# Altium PCB TinyPC.PcbDoc (part 1 of 2) (continued)
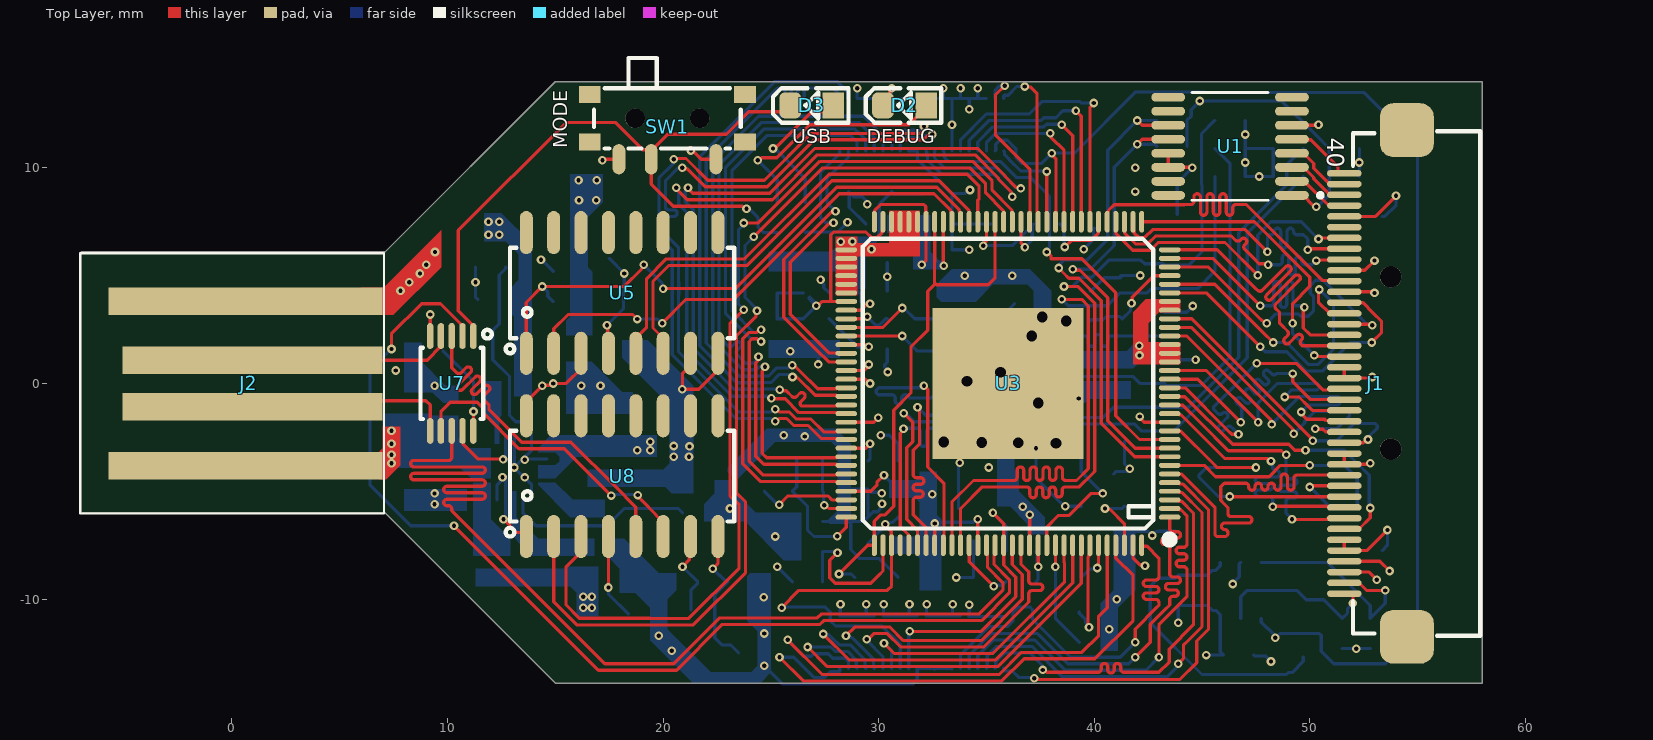
[diagram p0: Top Layer view]
## Footprints (in the part's own frame and the unit in brackets; to place one, negate y for a bottom-side part, rotate by r counter-clockwise, add the part's x,y. Pads: shape width x height; smd on the part's side, far side on the other; paste and mask are expansions set on the pad) (continued)
SDMICRO_AT [mm] "SDMICRO exist on Iran, Attend 112J-TDAR-R01 push-push"
  oval 0.7x1.6 smd: 1(-2.2,-5.25) 2(-1.1,-5.25) 3(0,-5.25) 4(1.1,-5.25) 5(2.2,-5.25) 6(3.3,-5.25) 7(4.4,-5.25) 8(5.5,-5.25) 9(6.6,-5.25)
  rect 1.2x1.4 smd: SH1(7.85,-4.65)
  rect 1.2x2.2 smd: SH2(7.75,4.85) SH3(-7.75,4.85)
  rect 1.6x1.2 smd: SH4(-6.85,-4.75)
  round 1 hole 1 unplated mask+0.102: ""(-3.05,5.25) ""(4.95,5.25)
  silkscreen extent -7.3,-5.3 7.5,15.52, body extent -8,-5.7 8.1,13.82, height 1.85
SO_16 [mm] "SOP, SOIC, 3.9mm width, 1.27mm pitch,"
  oval 2x0.6 smd: 1(-2.8,4.445) 2(-2.8,3.175) 3(-2.8,1.905) 4(-2.8,0.635) 5(-2.8,-0.635) 6(-2.8,-1.905) 7(-2.8,-3.175) 8(-2.8,-4.445) 9(2.8,-4.445) 10(2.8,-3.175) 11(2.8,-1.905) 12(2.8,-0.635) 13(2.8,0.635) 14(2.8,1.905) 15(2.8,3.175) 16(2.8,4.445)
  silkscreen extent -2.8,-5.2 2.1,5.4, body extent -3.1,-4.95 3.1,4.95, height 1.7
SOP65P640X120-16N [mm]
  oval 1.57x0.41 smd: 1(-2.87,2.275) 2(-2.87,1.625) 3(-2.87,0.975) 4(-2.87,0.325) 5(-2.87,-0.325) 6(-2.87,-0.975) 7(-2.87,-1.625) 8(-2.87,-2.275) 9(2.87,-2.275) 10(2.87,-1.625) 11(2.87,-0.975) 12(2.87,-0.325) 13(2.87,0.325) 14(2.87,0.975) 15(2.87,1.625) 16(2.87,2.275)
  silkscreen extent -4.29,-2.5 1.77,2.5, body extent -3.2,-2.5 3.2,2.5, height 1.2
SOT23_3 [mm] "SOT-23, Micro3, MO-178, TO-236AB, MO-193C, SuperSOT3, SC-59, 1.5x3mm, Pitch 1.9mm"
  rrect50% 1.2x0.7 smd paste-0.05 mask+0.1: 1(-1.3,1) 2(-1.3,-1) 3(1.3,0)
  silkscreen extent -0.8,-1.6 0.8,1.6, body extent -1.32,-1.5 1.32,1.5, height 1.08
SOT23_6 [mm] "SOT-23-6, DDC, DBV, MICRO6, SOT-26, SOT457, SuperSOT6, TSOP-6, HMC313, TSOT, 1.5x3mm, Pitch 0.65mm, CA531, MO-178AB, MO-193AA"
  oval 1.2x0.6 smd paste-0.05: 1(-1.3,0.95) 2(-1.3,0) 3(-1.3,-0.95) 4(1.3,-0.95) 5(1.3,0) 6(1.3,0.95)
  silkscreen extent -1.6,-1.6 0.9,1.9, body extent -1.5,-1.5 1.5,1.5, height 1.3
SWSLIDT_SPDT_MSS3 [mm] "Switch, Slide, SPDT,"
  oval 0.6x1.4 smd: 1(2.25,-1.9) 2(-0.75,-1.9) 3(-2.25,-1.9)
  rect 1x0.8 smd: ""(-3.6,-1.1) ""(-3.6,1.1) ""(3.6,-1.1) ""(3.6,1.1)
  round 0.9 hole 0.9 unplated: ""(-1.5,0) ""(1.5,0)
  silkscreen extent -3.4,-1.4 3.4,2.8, body extent -3.85,-2.24 3.85,2.76, height 1.4
USB_PCB [mm]
  rect 1.27x12.7 smd: 1(-3.81,-0.631) 4(3.81,-0.631)
  rect 1.27x12.065 smd: 2(-1.079,-0.95) 3(1.079,-0.95)
  silkscreen extent -6.02,-7.05 6.04,7.05
VSSOP-10PIN [mm]
  oval 1.2x0.3 smd mask+0.075: 1(-2.2,0.996) 2(-2.2,0.496) 3(-2.2,-0.004) 4(-2.2,-0.504) 5(-2.2,-1.004) 6(2.2,-1.004) 7(2.2,-0.504) 8(2.2,-0.004) 9(2.2,0.496) 10(2.2,0.996)
  silkscreen extent -2.49,-1.45 1.65,1.85, body extent -2.45,-1.5 2.45,1.5, height 1.1
XTL_2_1610 [mm] "Crystals 1.6 mm x 1.0 mm"
  rrect50% 0.6x1 smd mask+0.1: 1(-0.6,0) 2(0.6,0)
  Top Layer pour cut-out: -0.8,-0.6 0.8,-0.6 0.8,0.6 -0.8,0.6
  silkscreen extent -1.1,-0.7 1.1,0.7, body extent -0.8,-0.5 0.8,0.5, height 0.5
XTL_4_3225 [mm] "CRYSTAL OSCILATOR 3.2X2.5mm, ABM8, CDFN-4"
  rrect50% 1.2x1.4 smd: 1(-1,1.1) 2(-1,-1.1) 3(1,-1.1) 4(1,1.1)
  Top Layer pour cut-out: -1.6,1.8 -1.6,-1.8 1.6,-1.8 1.6,1.8
  silkscreen extent -1.6,-1.7 1.4,2.2, body extent -1.25,-1.6 1.25,1.6, height 0.61

## Part data
C1 C2 C3 C4 C5 C6 C7 C8 C9 C10 C11 C12 C13 C14 C15 C16 C17 C18 C19 C20 C21 C22 C23 C24 C25 C26 C27 C28 C29 C30 C31 C32 C33 C34 C35 C36 C37 C38 C39 C40 C41 C42 C43 C44 C45 C46 C47 C48 C49 C50 C51 C52 C53 C54 C55 C56 C57 C58 C59 C60 C61 C62 C63: library part CAP_SMD_MLCC_0805, "CAP, MLCC, -F, -V, MATERIAL, -%, 0201", ASSEMBLY=ASSEMBLY, MANF=-, MANF_P#=MANF_PART#, PARAM="-, -%", PARAM2=-V, PRICE="100= 1$"
D1: "Diode Schottky 30V 500mA Surface Mount SOD-123", Package="SOD-123 Diodes Inc.", Availability=Unavailable, MF="Diodes Inc.", MP=B0530W-7-F, PRICE=None, SnapEDA_Link=https://www.snapeda.com/parts/B0530W-7-F/Diodes%20Inc./view-part/272168/?ref=snap
D2 D3: library part LED_SMD_0805_BLU, "LED, SMD, 0805, BLUE", ASSEMBLY=ASSEMBLY, DESC=DESCRIPTION, MANF=MANF, MANF_P#=MANF_PART#, PARAM2=2.2V, PRICE=36t@Javan
J1: "CONN, FPC, 0.50mm pitch, RightAngle, Bot. Contact", DESC="FH12F-40S-0.5SH, FH12S-40S-0.5SH", MANF="MOLEX, Hirose", MANF_P#="54132‐4062, FH12-40S-0.5SH"
J3: library part SOCKET_SDMICRO_AT, "SD MICRO exist in Iran, Attend 112J-TDAR-R01", MANF=Attend, MANF_P#=112J-TDAR-R01, PARAM=push-push
J4 J5: "SlimStack Board-to-Board Receptacle, 0.40mm Pitch, Surface Mount, Dual Row, Vertical, 1.00mm Stacking Height, with Solder Tabs, 30 Circuits", PartNumber=5024264030, WebSite=https://www.molex.com/molex/products/part-detail/pcb_receptacles/5024264030
L1: library part IND_SMD, "INDUCTOR, SMD"
L2 L3 L4: library part INDPWR_SMD, "INDUCTOR, POWER, SMD"
R1 R2 R3 R4 R5 R6 R7 R8 R9 R10 R11 R12 R13 R14 R15 R16 R17 R18 R19 R20 R21 R22 R23 R24 R25 R26: library part RES_SMD_0805, "RESISTOR, SMD", ASSEMBLY=ASSEMBLY, DESC=DESCRIPTION, DIST#=MOUSER, MANF=-, MANF_P#=-, PARAM=-W, PARAM2=1%, PRICE="100= 0.5$"
SW1: library part SWSLIDT_SPDT_MSS3, "SWITCH, SLIDE, SPDT, SMD", ASSEMBLY=ASSEMBLY, DESC=DESCRIPTION, MANF=Diptronics, MANF_PART#=MSS3-V, PARAM="24VDC/25mA, -20~+70oC", PRICE=0.7$
U1: "12-Bit, nanopower, 4-wire micro touch screen controller &nbsp; 16-TSSOP -40 to 85", Package="TSSOP-16 Texas Instruments", Check_prices=https://www.snapeda.com/parts/TSC2007IPW/Texas%20Instruments/view-part/291616/?ref=eda, Digi-Key_Part_Number=296-42398-2-ND, MF="Texas Instruments", MP=TSC2007IPW, Purchase-URL=https://pricing.snapeda.com/search/part/TSC2007IPW/?ref=eda, SnapEDA_Link=https://www.snapeda.com/parts/TSC2007IPW/Texas%20Instruments/view-part/291616/?ref=snap
U5: library part EEPROM_SPI_M95512_SON8, "EEPROM, SPI, 512kbit (64K x8), SON-8", MANF=ST, MANF_P#=M95512-DFMC6TG, PARAM="512kbit (64K x8), -40~85oC", PARAM2="1.7~5.5V, 200Year, 16MHz", PRICE=1$
U7: "High-Speed USB 2.0 (480-Mbps) / 1:2 Multiplexer/Demultiplexer Switch With Single Enable", MANF="TEXAS INSTRUMENT"
U8: library part CH340G_SOP16, "USB-UART", MANF_P#=CH340G
X1: library part XTL_4_24MHz_3225, "Crystal 24MHz", MANF=EPSON, MANF_P#="TSX-3225 24.0000MF10Z-C3", PARAM=-20~75oC, PARAM2="10PPM, 18pF", PRICE=0.5$
X2: library part XTL_2_32.768_1610E, "Crystal, 32.768KHz, 12pF, 20PPM", MANF=ECS, MANF_P#=ECS-.327-12.5-16-TR, PARAM=-40~85oC, PARAM2="12pF, 20PPM", PRICE=0.9$
X3: library part XTL_4_12MHz_3225, "Crystal 12MHz", MANF=ECS, MANF_P#=ECS-120-18-33-JEM-TR, PARAM="20PPM, 18pF", PRICE=0.5$

## Via types
v1: diameter 0.4, hole 0.2, Top Layer to Bottom Layer, tented both sides, 283 vias
v2: diameter 0.7, hole 0.5, Top Layer to Bottom Layer, tented both sides, 10 vias

## Nets (pads, with @x,y where several pads share a name; then routed paths per layer and width w, separated by ;. In a path a pad name is that pad's centre, name@x,y a point inside that pad or via, vN(x,y) a via of type N, cw(c..) or ccw(c..) an arc to the next point about the centre after c; other vN are vias at no path point)
+1V2: C8.1 C9.1 C10.1 C11.1 C12.1 C24.1 C25.1 C26.1 C27.1 C28.1 C29.1 C44.1 C45.1 J5.36 J5.37 J5.38 J5.39 J5.40 L2.2 R14.2 U3.19 U3.20 U3.21 U3.25 U3.26 U3.38 U3.47 U3.51 U3.56 U3.58 U3.64 U3.80 U3.88 U3.108 U3.126 | length 34.2
  Top Layer w0.15: U3.88@28.5,-3 29.4,-3 v1(29.6,-2.8) ; U3.80@28.5,0.2 29.387,0.2 29.587,0 v1(29.6,0) ; U3.64@29.8,7.5 29.815,7.515 29.815,8.025 30.091,8.3 32.097,8.3 32.185,8.212 32.185,7.922 32.2,7.907 32.2,5.713 32,5.513 v1(32,5.5) ; U3.56@33,7.5 33,5.479 v1(33.019,5.46) ; U3.108@34.2,-7.5 34.2,-8.271 v1(35.339,-9.411) ; v1(34.845,6.394) 34.845,6.452 35,6.607 U3.51@35,7.5 ; U3.47@36.6,7.5 36.6,6.532 36.784,6.348 v1(36.784,6.319) ; v1(38.631,6.329) 38.95,6.648 39.858,6.648 40.185,6.974 40.185,7.485 U3.38@40.2,7.5 ; v1(40.5,-5.8) 40.548,-5.848 40.748,-5.848 41.4,-6.5 U3.126@41.4,-7.5
  Bottom Layer w0.15: J5.40@28.2,-10.787 J5.39@28.6,-10.787 J5.38@29,-10.787 J5.37@29.4,-10.787 J5.36@29.8,-10.787 ; J5.40@28.223,-10.765 v1@28.223,-10.253 ; J5.37@29.423,-10.765 v1@29.423,-10.253 ; C28.1@29.5,-3.6 29.6,-3.5 v1(29.6,-2.8) ; C27.1@30.8,7.4 C9.1@32,7.4 C25.1@32,6.2 ; v1(32,5.5) C25.1@32,6.2 ; v1(33.019,5.46) 32.986,5.46 32.898,5.548 32.652,5.548 C25.1@32,6.2 ; v1(34.845,6.394) 36.194,6.394 36.714,6.914 36.719,6.914 C8.1@37.128,7.323 ; v1(35.339,-9.411) 35.387,-9.363 35.737,-9.363 C29.1@35.9,-9.2 ; v1(36.784,6.319) 37.128,6.663 C8.1@37.128,7.323 ; C8.1@37.2,7.4 37.128,7.328 C8.1@37.128,7.323 ; C10.1@38.4,7.4 C10.1@38.6,7.2 38.6,6.359 v1(38.631,6.329) ; v1(40.5,-5.8) 41.3,-5.8 C24.1@41.4,-5.7
  other v1: 28.231,-10.245 29.431,-10.245 42.1,1.3 42.093,1.753 11.9,6.9 12.4,6.9 11.9,7.5 12.4,7.5
+1V8: C4.2 C5.2 C35.1 C36.1 C37.1 C38.1 C39.1 C40.1 C47.1 C48.1 J5.31 J5.32 J5.33 J5.34 J5.35 L3.2 R6.2 R7.2 R11.2 R16.2 U1.1 U3.59 U3.60 U3.61 U3.62 U3.65 U3.66 U3.67 U3.68 U3.69 U3.70 U3.72 U3.79 | length 23.8
  Top Layer w0.15: U3.79@28.5,0.6 29.337,0.6 29.489,0.752 29.489,0.83 v1(29.536,0.877) ; U3.72@28.5,3.4 29.165,3.4 29.417,3.652 29.552,3.652 v1(29.6,3.7) ; U3.61@31,7.5 U3.61@31.015,7.515 ; U1.1@49.17,8.725 49.688,8.725 50.165,8.248 50.252,8.248 v1(50.3,8.2)
  Bottom Layer w0.15: C39.1@29,4.3 29.189,4.111 29.189,3.788 29.277,3.7 v1(29.6,3.7) ; 29.845,6.585 30.025,6.765 30.025,8.325 30.114,8.414 30.119,8.414 C35.1@30.6,8.895 ; J5.35@30.2,-10.787 J5.34@30.6,-10.787 J5.31@31.8,-10.787 ; J5.35@30.223,-10.765 v1@30.223,-10.253 ; C35.1@30.6,8.9 C35.1@30.6,8.895 ; J5.32@31.423,-10.765 v1@31.423,-10.253 ; C36.1@32,8.8 30.695,8.8 C35.1@30.6,8.895 ; R6.2@44.3,11 R7.2@44.3,12.2 44.501,12.401 44.501,12.701 v1(44.9,13.1) 48.699,13.1 50.224,11.575 ; 50.225,11.575 C4.2@50.9,10.9 C5.2@50.9,9.6 50.9,8.746 50.354,8.2 v1(50.3,8.2)
  other v1: 16.3,-10.4 16.7,-10.4 30.231,-10.245 31.431,-10.245 16.3,-9.9 16.7,-9.9 29.666,6.222 28.238,6.574 28.783,6.583 41.9,8.9 41.9,10
+3V0: C20.1 C21.1 C33.1 C53.1 C54.1 J5.26 J5.27 J5.28 J5.29 J5.30 R13.2 U3.76 U3.115 U6.2 | length 9.6
  Top Layer w0.15: U3.76@28.5,1.8 29.376,1.8 29.467,1.709 v1(29.535,1.709) ; U3.115@37,-7.5 37.005,-7.495 v1(37.005,-6.084)
  Bottom Layer w0.15: C33.1@27.7,3 29.001,1.699 29.525,1.699 v1(29.535,1.709) ; J5.30@32.2,-10.787 J5.29@32.6,-10.787 J5.28@33,-10.787 J5.27@33.4,-10.787 J5.26@33.8,-10.787 ; J5.30@32.223,-10.765 v1@32.223,-10.253 ; J5.27@33.423,-10.765 v1@33.423,-10.253 ; C20.1@36,-5.1 36.386,-5.486 36.586,-5.486 36.751,-5.651 36.957,-5.857 36.957,-6.037 37.052,-6.132 37.052,-6.352 R13.2@37.3,-6.6
  other v1: 32.231,-10.245 33.431,-10.245 36.684,-5.719 35.1,-3.9 16.1,8.5 16.9,8.5 16.08,9.422 16.924,9.425
+3V3: C3.2 C6.2 C13.1 C14.1 C15.1 C16.1 C30.1 C31.1 C34.1 C51.1 C52.1 C60.2 C61.2 J1.4 J1.31 J3.4 J5.21 J5.22 J5.23 J5.24 J5.25 L1.1 L4.2 R1.2 R2.2 R3.2 R4.2 R5.2 R9.1 R18.2 R23.1 R24.1 R26.2 SW1.1 U2.6 U3.12 U3.29 U3.85 U3.93 U3.104 U3.109 U3.122 U3.127 U5.3 U5.7 U5.8 U6.3 U7.10 U8.4 U8.16 | length 64.6
  Top Layer w0.15: U7.10@11.196,-2.2 11.206,-2.191 v1(11.206,-1.301) ; U8.16@13.655,-1.5 13.655,-0.845 v1(14.4,-0.1) 14.414,-0.086 14.746,-0.086 14.832,0 v1(14.9,0) 15.5,0 16.195,0.695 U5.3@16.195,1.4 ; v1(17.465,-9.465) U8.4@17.465,-7.1 ; U5.7@21.275,1.4 21.275,0.822 20.899,0.446 20.899,-0.265 v1(20.89,-0.274) 21.655,-0.274 22.545,0.616 U5.8@22.545,1.4 ; v1(21.291,10.804) 21.339,10.756 21.416,10.756 21.772,10.4 SW1.1@22.45,10.4 ; U3.93@28.5,-5 29.639,-5 29.92,-4.719 29.92,-4.585 v1(30.25,-4.255) ; U3.85@28.5,-1.8 29.771,-1.8 29.977,-1.594 v1(29.984,-1.594) ; U3.104@32.6,-7.5 32.6,-6.501 v1(32.603,-6.497) ; U3.109@34.6,-7.5 v1(34.6,-6.3) ; v1(39.759,-11.307) 39.714,-11.262 39.714,-8.052 39.74,-8.026 39.74,-7.967 39.8,-7.907 U3.122@39.8,-7.5 ; v1(41.73,3.728) 41.763,3.761 41.763,3.995 42.768,5 U3.29@43.5,5 ; U3.127@41.8,-7.5 41.8,-8.1 42.109,-8.409 42.309,-8.409 v1(42.356,-8.457) ; v1(42.111,-1.536) 42.111,-1.587 42.324,-1.8 U3.12@43.5,-1.8 ; J1.4@51.6,-8.25 53.25,-8.25 v1(53.7,-8.7) ; J1.31@51.6,5.25 52.55,5.25 v1(53,5.7)
  Bottom Layer w0.15: C60.2@9.8,1.5 11.206,0.094 v1(11.206,-1.301) ; v1(14.337,5.736) 14.362,5.736 R24.1@14.9,5.2 R24.1@14.9,5.2 ; v1@17.466,-9.466 17.466,-9.766 C61.2@18.4,-10.7 ; v1(25.3,-8.5) R9.1@26,-9.2 ; R26.2@26.6,7 26.623,7.023 27.905,7.023 27.907,7.025 28.109,7.025 v1(28.557,7.473) ; v1(30.25,-4.255) 30.25,-4.276 30.873,-4.9 C31.1@30.9,-4.9 ; C13.1@32.4,-7.3 32.589,-7.111 32.589,-6.613 v1@32.654,-6.548 ; v1(32.603,-6.497) 32.651,-6.449 32.801,-6.449 32.816,-6.434 34.398,-6.434 34.532,-6.3 v1(34.6,-6.3) ; J5.25@34.177,-10.81 34.577,-10.81 34.977,-10.81 35.377,-10.81 J5.21@35.777,-10.81 ; J5.25@34.2,-10.787 v1@34.2,-10.276 ; C30.1@39.3,-10.6 39.3,-10.668 39.601,-10.968 39.601,-11.094 39.759,-11.252 v1(39.759,-11.307) ; C34.1@39.8,2.9 39.851,2.951 40.407,2.951 40.563,3.107 41.193,3.107 C3.2@41.3,3 41.682,3.382 41.682,3.68 v1(41.73,3.728) ; J3.4@43.25,1.1 v1(44.7,1.1) ; v1(43.9,-11.1) L1.1@43.9,-10.3 45.25,-10.3 45.479,-10.529 45.642,-10.529 45.85,-10.737 U2.6@45.85,-10.9 45.85,-12.45 C6.2@46,-12.6 45.3,-12.6 v1(45.2,-12.6) ; R3.2@47,12.2 R5.2@47,10.9 ; R5.2@47,10.9 R1.2@48.3,10.9 R2.2@48.3,9.6 R4.2@47,9.6 R5.2@47,10.9
  other v1: 34.208,-10.267 32.492,-5.141 20.5,-3.4 21.2,-3.4 21.226,-2.921 20.5,-2.9 47.65,9.6 47,10.25 47,11.55
+5V0: C1.2 C2.2 C43.1 C46.1 C49.1 C50.1 J2.1 U4.7 U4.8 U4.9 U4.10 U4.16 U4.18 U4.19
  other v1: 7.4,-3.7 7.4,-3.3 18.8,-3.1 19.4,-3.1 7.4,-2.8 19.4,-2.7 7.4,-2.2
Button: D3.2 R25.2 SW1.2 U7.1 | length 32.7
  Top Layer w0.15: U7.1@11.196,2.2 11.196,2.68 10.5,3.377 10.5,7.1 15.5,12.1 17.8,12.1 19.054,10.846 19.242,10.846 SW1.2@19.45,10.638 ; v1(23.871,8.101) 23.803,8.101 23.679,8.225 20.475,8.225 19.45,9.25 SW1.2@19.45,10.638 ; D3.2@25.9,12.9 25.6,12.6 23.977,12.6 22.942,11.565 20.215,11.565 19.45,10.8 SW1.2@19.45,10.638
  Bottom Layer w0.15: v1(23.871,8.101) 23.919,8.053 24.047,8.053 24.399,7.702 24.399,7.276 24.675,7 R25.2@25.3,7
CSI_SCK: R6.1 U1.12 U3.9 | length 21.3
  Top Layer w0.15: v1(39,5.3) 39.048,5.252 39.339,5.252 40.625,3.966 40.625,-1.725 41.9,-3 U3.9@43.5,-3 ; v1(42,11.1) 42.225,11.325 U1.12@43.43,11.325
  Bottom Layer w0.15: v1(39,5.3) 39.826,5.3 40.925,6.399 40.925,10.025 v1(42,11.1) 42.8,11.1 R6.1@42.9,11
CSI_SDA: R7.1 U1.11 U3.8 | length 23.5
  Top Layer w0.15: v1(38.35,5.357) 38.35,5.35 38.575,5.125 38.824,4.875 39.292,4.875 40.325,3.842 40.325,-1.849 41.876,-3.4 U3.8@43.5,-3.4 ; v1(42,12.2) 42.225,11.975 U1.11@43.43,11.975
  Bottom Layer w0.15: v1(38.35,5.357) 38.398,5.405 38.398,5.53 38.593,5.725 39.66,5.725 40.625,6.69 40.625,10.825 v1(42,12.2) R7.1@42.9,12.2
EPHY_LINK_LED: J4.20 U3.77 | length 12.7
  Top Layer w0.15: v1(27.902,7.45) 27.855,7.402 27.678,7.402 25.9,5.624 25.9,3.202 27.687,1.415 28.485,1.415 U3.77@28.5,1.4
  Bottom Layer w0.15: v1(27.902,7.45) 27.55,7.45 27.3,7.7 27.3,9.766 28.2,10.666 J4.20@28.2,10.787
EPHY_RX_N: J4.15 U3.89 | length 29.2
  Top Layer w0.15: v1(24.725,0.776) 24.725,0.708 24.6,0.583 24.6,-3.25 24.8,-3.45 28.043,-3.45 28.093,-3.4 U3.89@28.5,-3.4
  Bottom Layer w0.15: v1(24.725,0.776) 24.707,0.758 24.442,0.758 24.331,0.646 24.259,0.646 24.249,0.636 23.702,0.636 22.3,2.038 22.3,10.273 24.427,12.4 29.3,12.4 30.2,11.5 J4.15@30.2,10.787
EPHY_RX_P: J4.16 U3.90 | length 29.2
  Top Layer w0.15: v1(24.425,1.237) 24.377,1.189 24.377,1.029 24.3,0.952 24.3,0.6 24.3,-3.374 24.676,-3.75 28.043,-3.75 28.093,-3.8 U3.90@28.5,-3.8
  Bottom Layer w0.15: v1(24.425,1.237) 24.425,1.169 24.311,1.055 24.311,1.05 24.206,0.946 24.134,0.946 24.124,0.936 23.826,0.936 23.698,1.064 23.433,1.329 cw(c23.539,1.435) 23.433,1.541 23.574,1.683 ccw(c23.468,1.789) 23.574,1.895 ccw(c23.468,1.789) 23.362,1.895 23.221,1.754 cw(c23.115,1.86) 23.009,1.754 22.781,1.981 22.6,2.162 22.6,10.149 24.551,12.1 29.1,12.1 29.8,11.4 J4.16@29.8,10.787
EPHY_SPD_LED: J4.19 U3.78 | length 13.1
  Top Layer w0.15: v1(28,7.993) 27.952,7.945 27.796,7.945 25.6,5.749 25.6,3.078 27.105,1.573 27.678,1 U3.78@28.5,1
  Bottom Layer w0.15: v1(28,7.993) 27.6,8.392 27.6,9.5 28.6,10.5 J4.19@28.6,10.787
EPHY_TX_N: J4.17 U3.91 | length 27.9
  Top Layer w0.15: v1(24.546,1.944) 24.479,1.944 24.354,2.069 24.121,2.069 24,1.948 24,-3.6 24.65,-4.25 28.043,-4.25 28.093,-4.2 U3.91@28.5,-4.2
  Bottom Layer w0.15: v1(24.546,1.944) 24.479,1.944 24.354,2.069 24.07,2.069 22.9,3.239 22.9,10.024 24.676,11.8 28.9,11.8 29.046,11.654 29.4,11.3 J4.17@29.4,10.787
EPHY_TX_P: J4.18 U3.92 | length 27.3
  Top Layer w0.15: v1(24.546,2.494) 24.479,2.494 24.354,2.369 23.997,2.369 23.7,2.072 23.7,-3.724 24.526,-4.55 28.043,-4.55 28.093,-4.6 U3.92@28.5,-4.6
  Bottom Layer w0.15: v1(24.546,2.494) 24.479,2.494 24.354,2.369 24.194,2.369 23.2,3.363 23.2,9.9 24.8,11.5 28.7,11.5 29,11.2 J4.18@29,10.787
GND: C1.1 C2.1 C3.1 C4.1 C5.1 C6.1 C7.1 C8.2 C9.2 C10.2 C11.2 C12.2 C13.2 C14.2 C15.2 C16.2 C17.2 C18.2 C19.2 C20.2 C21.2 C22.2 C23.2 C24.2 C25.2 C26.2 C27.2 C28.2 C29.2 C30.2 C31.2 C32.2 C33.2 C34.2 C35.2 C36.2 C37.2 C38.2 C39.2 C41.2 C42.2 C43.2 C45.2 C46.2 C48.2 C49.2 C50.2 C52.2 C53.2 C54.2 C55.1 C56.1 C57.1 C58.1 C59.1 C60.1 C61.1 C62.2 C63.2 D2.2 J1.3 J1.5 J1.6 J1.13 J1.14 J1.21 J1.22 J1.29 J1.36 J2.4 J3.6 J3.SH1 J3.SH2 J3.SH3 J3.SH4 J4.7 J4.11 J4.12 J4.23 J4.24 J4.25 J4.26 J4.27 J4.28 J4.29 J4.30 J4.31 J4.32 J4.33 J4.34 J4.35 J4.36 J4.37 J4.38 J5.7 J5.8 J5.9 J5.10 J5.11 R8.1 R10.1 R12.1 R15.2 R17.2 R19.2 R20.2 R21.2 SW1.3 U1.6 U1.13 U1.14 U2.2 U3.116 U3.129 U4.1 U4.4 U4.5 U4.12 U4.13 U4.15 U4.17 U4.21 U5.4 U6.1 U7.5 U7.9 U8.1 X1.2 X1.4 X3.2 X3.4 | length 144.7
  Top Layer w0.15: U7.5@9.196,2.2 9.196,3.196 v1(9.2,3.2) ; U7.9@10.696,-2.2 10.725,-2.229 10.725,-2.825 11.4,-3.5 12.554,-3.5 v1(12.578,-3.523) ; v1(12.6,-6.3) 13.218,-6.918 13.473,-6.918 U8.1@13.655,-7.1 ; v1(17.187,10.35) 17.254,10.35 17.304,10.4 SW1.3@17.95,10.4 ; v1(17.4,2.7) 17.433,2.668 17.433,1.432 U5.4@17.465,1.4 ; D2.2@30.2,12.9 30.517,13.217 v1@30.517,13.549 ; v2(33.021,-2.714) 35.41,-0.325 35.675,-0.325 U3.129@36,0 ; v2(34.782,-2.741) 36,-1.523 U3.129@36,0 ; v2(35.651,0.516) U3.129@36,0.167 ; v2(36.475,-2.748) U3.129@36.475,-0.475 ; v2(37.1,2.2) 37.1,1.1 U3.129@36,0 ; v1(37.4,-8.5) U3.116@37.4,-7.5 ; v2(37.586,3.086) 36.9,2.4 36.9,1.067 U3.129@36,0.167 ; v2(38.229,-2.769) 36.825,-1.365 36.825,-0.825 U3.129@36.475,-0.475 ; v1(39.275,-0.7) 38.575,0 U3.129@36,0 ; U1.13@43.43,10.675 U1.14@43.43,10.025 44.525,10.025 v1(44.55,10) ; U1.6@49.17,11.975 50.375,11.975 v1(50.4,12) ; J1.3@51.6,-8.75 52.75,-8.75 v1(53.1,-9.1) ; J1.6@51.6,-7.25 J1.5@51.6,-7.75 52.65,-7.75 v1(53.6,-6.8) ; J1.14@51.6,-3.25 J1.13@51.6,-3.75 52.682,-3.75 52.732,-3.7 v1(52.8,-3.7) ; J1.22@51.6,0.75 J1.21@51.6,0.25 52.782,0.25 52.832,0.3 v1(52.9,0.3) ; J1.29@51.6,4.25 52.883,4.25 52.932,4.2 v1(53,4.2) ; J1.36@51.6,7.75 53.05,7.75 v1(54,8.7) ; U3.129@36,0 U3.129@36,0.167 ; U3.129@36,0 U3.129@36.475,-0.475
  Bottom Layer w0.15: R15.2@11.3,5.4 11.3,4 C45.2@11.4,3.9 ; U4.5@12.3,-5.4 12.3,-4.7 12.7,-4.3 U4.4@12.7,-5.4 12.7,-6.132 12.6,-6.232 v1(12.6,-6.3) ; U4.12@12.7,-2.4 12.7,-3.5 v1(13.1,-3.9) ; U4.13@13.1,-2.4 v1(13.1,-3.9) ; U4.1@13.9,-5.4 13.9,-4.7 v1(13.1,-3.9) ; U4.15@13.9,-2.4 13.9,-3.1 U4.21@13.5,-3.5 ; U4.17@14.6,-3.5 U4.21@13.5,-3.5 ; v1(17.4,2.7) 18.163,3.463 18.163,4.263 C53.2@18.2,4.3 v1(18.2,5.1) C54.2@17.5,5.8 ; v1(24.7,-13.1) 25.535,-13.935 31.578,-13.935 31.771,-13.742 31.791,-13.742 31.795,-13.737 31.795,-13.217 J5.11@31.8,-13.212 J5.10@32.2,-13.212 J5.9@32.6,-13.212 J5.8@33,-13.212 J5.7@33.4,-13.212 ; v1(27.193,0.884) 27.193,1.512 27.612,1.512 C33.2@27.7,1.6 ; v1(27.306,4.817) 27.306,4.749 27.452,4.603 27.452,4.448 C38.2@27.7,4.2 ; C57.1@27.4,-6.4 28.7,-6.4 ; 28.5,-4.9 C31.2@29.5,-4.9 ; v1(29,13.7) J4.38@29,13.212 J4.37@29.4,13.212 J4.36@29.8,13.212 J4.35@30.2,13.212 J4.34@30.6,13.212 ; C27.2@29.4,7.4 28.637,8.163 28.637,8.863 C35.2@28.6,8.9 28.837,8.663 29.237,8.663 29.421,8.479 29.421,8.364 v1(29.469,8.316) ; v1(30.1,-2.4) 30.5,-2.4 30.9,-2.8 C28.2@30.9,-3.6 ; v1(30.147,-5.093) 30.099,-5.045 29.645,-5.045 C31.2@29.5,-4.9 ; v1(30.154,-5.578) 30.107,-5.625 30.107,-5.797 29.951,-5.952 29.748,-5.952 C59.1@29.5,-6.2 ; R21.2@30.4,1.6 30.4,0.99 30.279,0.869 30.279,0.744 30.426,0.597 v1(30.426,0.532) ; C39.2@30.4,4.3 C37.2@30.4,5.6 ; v1(30.6,13.7) J4.34@30.6,13.212 ; C19.2@30.899,-9 30.899,-8.995 30.419,-8.514 30.414,-8.514 30.025,-8.125 29.124,-8.125 28.7,-7.701 28.7,-6.4 ; J4.12@31.4,10.787 J4.11@31.8,10.787 31.8,10.4 C36.2@33.4,8.8 ; J5.9@32.591,-13.249 J5.9@32.595,-13.253 ; v1(33,13.7) J4.28@33,13.212 ; J5.7@33.377,-13.235 J5.7@33.388,-13.246 ; J4.7@33.4,10.787 J4.27@33.4,13.212 ; v1(33.6,-9) C14.2@34.4,-9 C13.2@34.4,-7.3 ; C15.2@33.7,-5.8 33.7,-3.806 33.76,-3.746 v1(33.76,-3.678) ; v1(33.8,13.7) J4.26@33.8,13.212 ; v1(34.2,6.2) C25.2@33.4,6.2 C9.2@33.4,7.4 ; v1(34.2,12.725) J4.25@34.2,13.212 ; v1(34.234,8.971) 34.181,8.971 34.025,8.815 33.415,8.815 C36.2@33.4,8.8 ; v1(34.6,13.7) J4.24@34.6,13.212 ; J4.23@35,13.212 J4.24@34.6,13.212 ; C8.2@35.2,7.4 C9.2@33.4,7.4 ; C29.2@37.3,-9.2 37.386,-9.114 37.386,-8.514 v1(37.4,-8.5) 37.352,-8.452 37.352,-7.852 C42.2@37.3,-7.8 ; v1(37.3,-3) C21.2@37.3,-3.7 37.3,-4.4 37.583,-4.683 37.588,-4.683 38,-5.095 38,-5.105 38.412,-5.517 38.417,-5.517 38.6,-5.7 C24.2@39.4,-5.7 ; C11.2@39,-0.3 39.275,-0.575 v1(39.275,-0.7) ; v1(39.511,6.223) 39.523,6.223 39.963,6.663 39.963,7.163 C10.2@40,7.2 ; C34.2@39.8,4.3 39.865,4.3 40.468,4.903 41.203,4.903 C3.1@41.3,5 ; R10.1@40.9,-4.2 41.021,-4.079 41.525,-4.079 v1(41.646,-3.959) 41.4,-3.713 C22.2@41.4,-2.7 ; C3.1@41.23,5.01 v1(42.137,5.01) ; C18.2@41.4,-7.3 41.4,-7.295 41.812,-6.883 41.88,-6.883 41.913,-6.85 42.481,-6.85 42.683,-7.052 42.704,-7.052 42.907,-6.85 J3.SH4@43.75,-6.85 ; J3.6@43.25,3.3 44.282,3.3 v1(44.574,3.593) ; J3.SH1@43.85,7.85 43.85,9.3 v1(44.55,10) ; v1@46.4,-9.3 46.729,-8.971 46.729,-8.371 U2.2@46.8,-8.3 ; C6.1@47.4,-12.6 47.437,-12.637 47.937,-12.637 v1(48.2,-12.9) ; C7.1@51.5,-12.3 R8.1@52.8,-12.3 ; C5.1@52.3,9.6 C4.1@52.3,10.9 ; J3.SH3@53.35,-7.75 53.6,-7.5 v1(53.6,-6.8) ; J3.SH2@53.35,7.75 53.475,7.75 54,8.275 v1(54,8.7) ; v1(13.1,-3.9) U4.21@13.5,-3.5 ; 28.7,-6.4 29.3,-6.4 C59.1@29.5,-6.2 ; C59.1@29.5,-6.2 C31.2@29.5,-4.9 ; J4.34@30.6,13.212 J4.33@31,13.212 J4.32@31.4,13.212 J4.31@31.8,13.212 J4.30@32.2,13.212 J4.29@32.6,13.212 J4.28@33,13.212 ; J4.28@33,13.212 J4.27@33.4,13.212 ; C9.2@33.4,7.4 C36.2@33.4,8.8 ; J4.27@33.4,13.212 J4.26@33.8,13.212 ; J4.26@33.8,13.212 J4.25@34.2,13.212 ; J4.25@34.2,13.212 J4.24@34.6,13.212
  other v1: 20.4,-12.4 52.15,-12.3 19.8,-11.7 24.7,-11.6 40.7,-11.4 41.051,-10.014 24.667,-9.923 46.426,-9.305 25.2,-7.1 42.694,-7.052 23.1,-5.8 38.655,-5.695 9.4,-5.6 9.4,-5.1 13.586,-4.358 12.551,-4.351 13.579,-3.537 26.574,-2.457 25.6,-2.4 9.4,-0.1 16.2,-0.1 17.1,-0.1 7.6,0.6 25.9,1.5 7.821,4.301 8.221,4.701 11.3,4.7 30.4,4.95 34,5 36.2,5 8.721,5.101 9.021,5.501 9.421,6.101 52.3,10.25 33.4,12
  other v2: 37.4,-0.9 34.1,0.1 38.7,2.9
HP_HBIAS: J5.14 U3.119 | length 13
  Top Layer w0.15: v1(30.249,-12.052) 30.723,-12.525 35.297,-12.525 38.625,-9.197 38.625,-8.324 38.6,-8.299 U3.119@38.6,-7.5
  Bottom Layer w0.15: v1(30.249,-12.052) 30.252,-12.052 30.6,-12.4 J5.14@30.6,-13.212
HP_HPCOM: J5.20 U3.125 | length 25.3
  Top Layer w0.15: v1(25.4,-12.7) 26.5,-13.8 35.719,-13.8 36.744,-12.775 40.025,-12.775 41.8,-11 41.8,-8.9 41,-8.1 U3.125@41,-7.5
  Bottom Layer w0.15: v1(25.4,-12.7) 26.062,-12.7 26.997,-13.635 27.503,-13.635 27.763,-13.375 28.165,-13.375 28.2,-13.34 J5.20@28.2,-13.212
HP_HPCOMFB: J5.19 U3.124 | length 23.9
  Top Layer w0.15: v1(25.778,-11.894) 25.778,-11.902 27.376,-13.5 35.595,-13.5 36.62,-12.475 39.425,-12.475 40.2,-11.7 40.2,-10.8 40.6,-10.4 U3.124@40.6,-7.5
  Bottom Layer w0.15: v1(25.778,-11.894) 26.278,-12.394 26.278,-12.402 26.527,-12.651 26.881,-12.651 26.997,-12.535 27.658,-12.535 27.873,-12.75 28.45,-12.75 28.6,-12.9 J5.19@28.6,-13.212
HP_HPOUTL: J5.18 U3.121 | length 19.3
  Top Layer w0.15: v1(26.703,-12.226) 27.602,-13.125 35.546,-13.125 39.4,-9.271 U3.121@39.4,-7.5
  Bottom Layer w0.15: v1(26.703,-12.226) 27.773,-12.226 27.976,-12.43 28.559,-12.43 28.965,-12.836 28.965,-13.177 J5.18@29,-13.212
HP_HPOUTR: J5.17 U3.120 | length 18.1
  Top Layer w0.15: v1(27.432,-11.621) 27.432,-11.632 28.625,-12.825 35.422,-12.825 39,-9.247 U3.120@39,-7.5
  Bottom Layer w0.15: v1(27.432,-11.621) 27.471,-11.66 27.694,-11.66 27.873,-11.839 28.164,-12.13 28.683,-12.13 29.365,-12.811 29.365,-13.177 J5.17@29.4,-13.212
KEYADC0: C42.1 J5.12 R13.1 U3.112 | length 13.7
  Top Layer w0.15: v1(31.438,-11.5) 34.751,-11.5 36.364,-9.887 36.364,-8.986 35.8,-8.422 U3.112@35.8,-7.5 35.8,-6.5 v1(35.3,-6)
  Bottom Layer w0.15: J5.12@31.4,-13.212 31.4,-11.538 v1(31.438,-11.5) ; v1(35.3,-6) R13.1@35.9,-6.6 C42.1@35.9,-7.8
LCD_CLK: J1.30 U3.37 | length 18.2
  Top Layer w0.15: U3.37@40.6,7.5 40.6,7.907 40.66,7.967 40.66,8.026 40.929,8.295 44.188,8.295 44.193,8.3 44.4,8.3 44.475,8.3 ccw(c44.475,8.45) 44.625,8.45 44.625,8.65 cw(c44.775,8.65) 44.925,8.65 44.925,7.95 ccw(c45.075,7.95) 45.225,7.95 45.225,8.65 cw(c45.375,8.65) 45.525,8.65 45.525,7.95 ccw(c45.675,7.95) 45.825,7.95 45.825,8.65 cw(c45.975,8.65) 46.125,8.65 46.125,7.95 ccw(c46.275,7.95) 46.425,7.95 46.425,8.15 cw(c46.575,8.15) 46.575,8.3 47.059,8.3 50.581,4.779 51.571,4.779 J1.30@51.6,4.75
LCD_D2: J1.23 U3.33 | length 14.7
  Top Layer w0.15: U3.33@42.2,7.5 47.435,7.5 50,4.935 50,4.5 49.2,3.7 v1(49.2,2.8) ; v1(50.2,1.3) 50.268,1.3 50.318,1.25 J1.23@51.6,1.25
  Bottom Layer w0.15: v1(49.2,2.8) 49.2,2.3 v1(50.2,1.3)
LCD_D3: J1.24 U3.32 | length 18.3
  Top Layer w0.15: U3.32@43.5,6.2 45.699,6.2 47.524,4.375 47.526,4.375 47.578,4.323 ccw(c47.684,4.429) 47.79,4.323 48.883,5.416 cw(c48.989,5.31) 49.095,5.416 cw(c48.989,5.31) 49.095,5.204 48.002,4.111 ccw(c48.108,4.005) 48.002,3.899 ccw(c48.108,4.005) 48.214,3.899 49.307,4.991 cw(c49.413,4.885) 49.519,4.991 cw(c49.413,4.885) 49.519,4.779 48.427,3.687 ccw(c48.533,3.581) 48.427,3.474 48.588,3.313 48.588,2.988 48.588,2.811 48.699,2.699 48.965,2.434 cw(c48.859,2.328) 48.965,2.222 48.831,2.089 ccw(c48.937,1.983) 48.831,1.876 ccw(c48.937,1.983) 49.043,1.876 49.401,2.235 cw(c49.508,2.129) 49.614,2.235 cw(c49.508,2.129) 49.614,2.023 49.601,2.01 ccw(c49.707,1.904) 49.601,1.798 49.649,1.75 50.15,1.75 J1.24@51.6,1.75
LCD_D4: J1.25 U3.31 | length 14.4
  Top Layer w0.15: U3.31@43.5,5.8 45.5,5.8 v1(47.7,3.6) ; v1(49.749,3.54) 49.702,3.492 49.702,3.328 49.7,3.327 49.7,2.573 50.023,2.25 J1.25@51.6,2.25
  Bottom Layer w0.15: v1(47.7,3.6) 48.1,3.6 48.175,3.6 ccw(c48.175,3.75) 48.325,3.75 48.325,4.583 cw(c48.475,4.583) 48.625,4.583 48.625,3.675 ccw(c48.775,3.675) 48.925,3.675 48.925,4.583 cw(c49.075,4.583) 49.225,4.583 49.225,3.75 ccw(c49.375,3.75) 49.375,3.6 49.621,3.6 49.682,3.54 v1(49.749,3.54)
LCD_D5: J1.26 U3.30 | length 14.5
  Top Layer w0.15: U3.30@43.5,5.4 45.299,5.4 47.62,3.079 47.799,2.9 47.832,2.9 47.932,2.8 v1(48,2.8) ; J1.26@51.6,2.75 52.783,2.75 52.832,2.7 v1(52.9,2.7)
  Bottom Layer w0.15: v1(48,2.8) 48.425,3.225 49.463,3.225 49.573,3.115 49.925,3.115 50.174,3.364 50.174,4.024 50.014,4.184 50.014,4.537 50.263,4.785 50.616,4.785 52.653,2.748 52.852,2.748 v1(52.9,2.7)
LCD_D6: J1.27 U3.28 | length 14.5
  Top Layer w0.15: U3.28@43.5,4.6 45.599,4.6 47.824,2.375 v1(48.3,1.9) ; v1(50.439,4.36) 50.4,4.321 50.4,3.77 50.92,3.25 J1.27@51.6,3.25
  Bottom Layer w0.15: v1(48.3,1.9) 48.924,1.9 49.949,0.875 50.376,0.875 51.1,1.599 51.1,3.7 v1(50.439,4.36)
LCD_D7: J1.28 U3.27 | length 14.7
  Top Layer w0.15: U3.27@43.5,4.2 45.2,4.2 v1(47.7,1.7) ; J1.28@51.6,3.75 51.609,3.741 52.471,3.741 52.928,3.284 53.325,2.887 53.325,2.351 v1(52.876,1.902)
  Bottom Layer w0.15: v1(47.7,1.7) 47.925,1.475 48.925,1.475 49.825,0.575 50.575,0.575 51.902,1.902 v1(52.876,1.902)
LCD_D10: J1.15 U3.24 | length 14.4
  Top Layer w0.15: U3.24@43.5,3 44.525,3 50.13,-2.605 v1(50.13,-2.66) ; J1.15@51.6,-2.75 52.487,-2.75 52.637,-2.6 v1(52.7,-2.6)
  Bottom Layer w0.15: v1(50.13,-2.66) 51.24,-2.66 52.038,-1.862 53.038,-1.862 53.126,-1.95 53.126,-2.074 52.7,-2.5 v1(52.7,-2.6)
LCD_D11: J1.16 U3.23 | length 14.4
  Top Layer w0.15: U3.23@43.5,2.6 44.501,2.6 49.213,-2.112 49.213,-2.289 v1(49.261,-2.337) ; v1(50.248,-2.102) 50.274,-2.128 50.61,-2.128 50.726,-2.244 51.594,-2.244 J1.16@51.6,-2.25
  Bottom Layer w0.15: v1(49.261,-2.337) 49.767,-1.831 49.767,-1.758 50.225,-1.3 51.749,-1.3 51.837,-1.388 51.837,-1.512 51.248,-2.102 v1(50.248,-2.102)
LCD_D12: J1.17 U3.22 | length 14.7
  Top Layer w0.15: U3.22@43.5,2.2 44.3,2.2 48.187,-1.687 48.187,-1.852 v1(48.234,-1.9) ; v1(49.597,-1.327) 49.597,-1.394 49.711,-1.508 49.711,-1.514 49.858,-1.662 50.689,-1.662 50.748,-1.721 51.571,-1.721 J1.17@51.6,-1.75
  Bottom Layer w0.15: v1(48.234,-1.9) 48.934,-1.2 49.534,-0.6 51.302,-0.6 51.4,-0.698 51.4,-0.912 51.312,-1 49.924,-1 v1(49.597,-1.327) v1@49.593,-1.327
LCD_D13: J1.18 U3.18 | length 14.1
  Top Layer w0.15: U3.18@43.5,0.6 45.2,0.6 v1(47.6,-1.8) ; v1(48.839,-0.627) 49.499,-0.627 49.922,-1.05 50.122,-1.25 J1.18@51.6,-1.25
  Bottom Layer w0.15: v1(47.6,-1.8) 47.6,-0.9 48.5,0 50.338,0 50.426,-0.088 50.426,-0.212 50.338,-0.3 49.167,-0.3 v1(48.839,-0.627)
LCD_D14: J1.19 U3.17 | length 14.1
  Top Layer w0.15: U3.17@43.5,0.2 44.8,0.2 v1(46.8,-1.8) ; v1(49.21,0.458) 49.21,0.086 50.046,-0.75 J1.19@51.6,-0.75
  Bottom Layer w0.15: v1(46.8,-1.8) 46.843,-1.757 46.843,-1.35 46.843,-1.244 ; 46.843,-1.243 ccw(c46.587,-1.244) 46.767,-1.062 46.619,-0.914 cw(c46.725,-0.808) 46.619,-0.702 cw(c46.725,-0.808) 46.831,-0.702 47.01,-0.88 ccw(c47.116,-0.774) 47.222,-0.88 ccw(c47.116,-0.774) 47.222,-0.668 47.043,-0.489 cw(c47.15,-0.383) 47.043,-0.277 cw(c47.15,-0.383) 47.256,-0.277 47.421,-0.443 ccw(c47.527,-0.337) 47.633,-0.443 ccw(c47.527,-0.337) 47.633,-0.231 47.468,-0.065 cw(c47.574,0.041) 47.468,0.147 cw(c47.574,0.041) 47.68,0.147 47.845,-0.018 ccw(c47.951,0.088) 48.057,-0.018 ccw(c47.951,0.088) 48.057,0.194 47.892,0.359 cw(c47.998,0.465) 47.892,0.571 cw(c47.998,0.465) 48.104,0.571 48.232,0.444 ccw(c48.338,0.55) 48.444,0.444 48.458,0.458 48.821,0.458 v1(49.21,0.458)
LCD_D15: J1.20 U3.16 | length 14.5
  Top Layer w0.15: U3.16@43.5,-0.2 43.509,-0.209 44.225,-0.209 46.158,-2.141 46.374,-2.358 46.691,-2.358 v1(46.693,-2.356) ; v1(47.545,0.931) 49.369,0.931 50.6,-0.3 50.794,-0.3 50.815,-0.279 51.571,-0.279 J1.20@51.6,-0.25
  Bottom Layer w0.15: v1(46.693,-2.356) 46.419,-2.081 46.365,-2.028 ccw(c46.259,-2.135) 46.153,-2.028 46.012,-2.17 cw(c45.906,-2.064) 45.8,-2.17 cw(c45.906,-2.064) 45.8,-1.958 46.159,-1.598 ccw(c46.053,-1.492) 46.159,-1.386 ccw(c46.053,-1.492) 45.947,-1.386 45.941,-1.392 cw(c45.835,-1.286) 45.729,-1.392 45.538,-1.201 45.538,-1.162 45.538,-1.077 v1(47.545,0.931)
LCD_D18: J1.7 U3.15 | length 14.2
  Top Layer w0.15: U3.15@43.5,-0.6 43.515,-0.615 44.207,-0.615 46.417,-2.825 49.026,-2.825 49.301,-3.1 v1(49.8,-3.1) ; J1.7@51.6,-6.75 52.28,-6.75 52.8,-6.23 v1(52.8,-5.775)
  Bottom Layer w0.15: v1(49.8,-3.1) 51.6,-3.1 52.375,-3.875 ; 52.375,-3.876 52.624,-4.125 ; 52.625,-4.125 52.752,-4.252 52.752,-5.727 v1(52.8,-5.775)